# Altium PCB JMU-ETA-Ruler V2.0.PcbDoc (part 2 of 2)
Units mm, origin at the board's own origin, x right, y up, seen from the top; angles counter-clockwise.
Board outline 156.25 x 24.4 mm, 2 copper layers (Top Layer, Bottom Layer); 28 components, 0 nets, 863 pads, 0 vias.
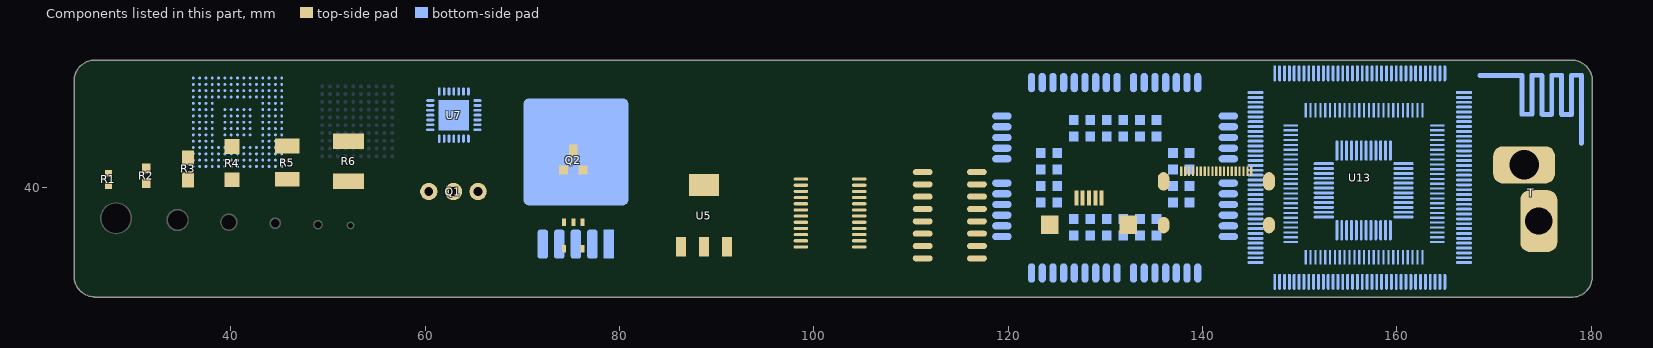
[diagram p2: the components of this part, seen from the top]

## Nets (pads, with @x,y where several pads share a name; then routed paths per layer and width w, separated by ;. In a path a pad name is that pad's centre, name@x,y a point inside that pad or via, vN(x,y) a via of type N, cw(c..) or ccw(c..) an arc to the next point about the centre after c; other vN are vias at no path point) (continued)
copper on no net: | length 659.2
  Top Layer w0.005: 26.68,46.02 27.097,46.02 ; 26.68,46.025 27.107,46.025 ; 26.685,46.015 27.087,46.015 ; 26.685,46.03 27.117,46.03 ; 26.69,46.01 27.076,46.01 ; 26.69,46.035 27.127,46.035 ; 26.695,46.004 27.066,46.004 ; 26.695,46.04 27.137,46.04 ; 26.7,45.999 27.061,45.999 ; 26.7,46.045 27.148,46.045 ; 26.706,45.994 27.051,45.994 ; 26.706,46.05 27.158,46.05 ; 26.711,45.989 27.041,45.989 ; 26.711,46.055 27.168,46.055 ; 26.716,45.984 27.036,45.984 ; 26.716,46.06 27.183,46.06 ; 26.721,45.979 27.026,45.979 ; 26.721,46.065 27.193,46.065 ; 26.726,45.974 27.021,45.974 ; 26.726,46.071 27.203,46.071 ; 26.731,45.969 27.01,45.969 ; 26.736,45.964 27.005,45.964 ; 26.736,46.076 27.219,46.076 ; 26.741,45.959 26.995,45.959 ; 26.741,46.081 27.234,46.081 ; 26.746,45.954 26.99,45.954 ; 26.746,46.086 27.249,46.086 ; 26.751,45.949 26.98,45.949 ; 26.751,46.091 27.264,46.091 ; 26.756,45.944 26.975,45.944 ; 26.756,46.096 27.28,46.096 ; 26.761,45.938 26.97,45.938 ; 26.761,46.101 27.295,46.101 ; 26.767,45.933 26.96,45.933 ; 26.772,45.928 26.954,45.928 ; 26.772,46.106 27.315,46.106 ; 26.777,45.923 26.949,45.923 ; 26.777,46.111 27.335,46.111 ; 26.782,45.918 26.939,45.918 ; 26.782,46.116 27.356,46.116 ; 26.787,45.913 26.934,45.913 ; 26.787,46.121 27.381,46.121 ; 26.792,45.908 26.929,45.908 ; 26.797,45.903 26.924,45.903 ; 26.797,46.126 27.412,46.126 ; 26.802,45.898 26.919,45.898 ; 26.802,46.131 27.447,46.131 ; 26.807,45.893 26.909,45.893 ; 26.807,46.137 27.498,46.137 ; 26.812,45.888 26.904,45.888 ; 26.817,45.883 26.899,45.883 ; 26.817,46.142 28.331,46.142 ; 26.822,45.877 26.894,45.877 ; 26.822,46.147 28.326,46.147 ; 26.827,45.872 26.888,45.872 ; 26.827,46.152 28.321,46.152 ; 26.833,45.867 26.883,45.867 ; 26.838,45.862 26.878,45.862 ; 26.838,46.157 28.311,46.157 ; 26.843,45.857 26.873,45.857 ; 26.843,46.162 28.306,46.162 ; 26.848,45.852 26.868,45.852 ; 26.853,45.847 26.863,45.847 ; 26.853,46.167 28.296,46.167 ; 26.858,46.172 28.291,46.172 ; 26.863,46.177 28.285,46.177 ; 26.873,46.182 28.275,46.182 ; 26.883,46.187 28.27,46.187 ; 26.888,46.192 28.26,46.192 ; 26.899,46.198 28.25,46.198 ; 26.904,46.203 28.245,46.203 ; 26.914,46.208 28.235,46.208 ; 26.919,46.213 28.23,46.213 ; 26.929,46.218 28.219,46.218 ; 26.939,46.223 28.209,46.223 ; 26.949,46.228 28.199,46.228 ; 26.954,46.233 28.194,46.233 ; 26.965,46.238 28.184,46.238 ; 26.975,46.243 28.174,46.243 ; 26.985,46.248 28.164,46.248 ; 26.995,46.253 28.153,46.253 ; 27.005,46.258 28.143,46.258 ; 27.015,46.264 28.133,46.264 ; 27.026,46.269 28.123,46.269 ; 27.036,45.664 28.113,45.664 ; 27.036,46.274 28.113,46.274 ; 27.041,45.659 28.113,45.659 ; 27.041,45.669 28.108,45.669 ; 27.046,45.654 28.108,45.654 ; 27.046,45.674 28.103,45.674 ; 27.046,46.279 28.103,46.279 ; 27.051,45.649 28.103,45.649 ; 27.051,45.679 28.097,45.679 ; 27.056,45.644 28.097,45.644 ; 27.056,45.684 28.092,45.684 ; 27.056,46.284 28.092,46.284 ; 27.061,45.639 28.092,45.639 ; 27.066,45.634 28.087,45.634 ; 27.066,45.69 28.082,45.69 ; 27.071,45.629 27.518,45.629 ; 27.071,45.695 28.077,45.695 ; 27.071,46.289 28.077,46.289 ; 27.076,45.623 27.483,45.623 ; 27.076,45.7 28.072,45.7 ; 27.081,45.618 27.457,45.618 ; 27.081,45.705 28.067,45.705 ; 27.081,46.294 28.067,46.294 ; 27.087,45.613 27.437,45.613 ; 27.087,45.71 28.062,45.71 ; 27.092,45.608 27.422,45.608 ; 27.092,45.715 28.057,45.715 ; 27.092,46.299 28.057,46.299 ; 27.097,45.603 27.407,45.603 ; 27.102,45.598 27.391,45.598 ; 27.102,45.72 28.047,45.72 ; 27.107,45.593 27.381,45.593 ; 27.107,45.725 28.042,45.725 ; 27.107,46.304 28.042,46.304 ; 27.112,45.588 27.366,45.588 ; 27.112,45.73 28.037,45.73 ; 27.117,45.583 27.356,45.583 ; 27.117,45.735 28.031,45.735 ; 27.122,45.578 27.346,45.578 ; 27.122,46.309 28.026,46.309 ; 27.127,45.573 27.335,45.573 ; 27.127,45.74 28.021,45.74 ; 27.132,45.568 27.325,45.568 ; 27.132,45.745 28.016,45.745 ; 27.132,46.314 28.016,46.314 ; 27.137,45.563 27.32,45.563 ; 27.142,45.557 27.31,45.557 ; 27.142,45.75 28.006,45.75 ; 27.148,45.552 27.3,45.552 ; 27.148,45.756 28.001,45.756 ; 27.148,46.319 28.001,46.319 ; 27.153,45.547 27.295,45.547 ; 27.158,45.542 27.285,45.542 ; 27.158,45.761 27.991,45.761 ; 27.163,45.537 27.28,45.537 ; 27.163,45.766 27.986,45.766 ; 27.163,46.325 27.986,46.325 ; 27.168,45.532 27.269,45.532 ; 27.173,45.527 27.264,45.527 ; 27.173,45.771 27.976,45.771 ; 27.178,45.522 27.259,45.522 ; 27.178,45.776 27.97,45.776 ; 27.178,46.33 27.97,46.33 ; 27.183,45.517 27.254,45.517 ; 27.188,45.512 27.244,45.512 ; 27.188,45.781 27.96,45.781 ; 27.193,45.507 27.239,45.507 ; 27.193,46.335 27.955,46.335 ; 27.198,45.502 27.234,45.502 ; 27.198,45.786 27.95,45.786 ; 27.203,45.496 27.229,45.496 ; 27.208,45.491 27.224,45.491 ; 27.208,45.791 27.94,45.791 ; 27.208,46.34 27.94,46.34 ; 27.214,45.486 27.219,45.486 ; 27.214,45.796 27.935,45.796 ; 27.224,45.801 27.925,45.801 ; 27.224,46.345 27.925,46.345 ; 27.234,45.806 27.915,45.806 ; 27.244,45.811 27.904,45.811 ; 27.244,46.35 27.904,46.35 ; 27.254,45.817 27.889,45.817 ; 27.264,46.355 27.884,46.355 ; 27.269,45.822 27.879,45.822 ; 27.28,45.827 27.869,45.827 ; 27.285,46.36 27.864,46.36 ; 27.295,45.832 27.854,45.832 ; 27.305,45.837 27.843,45.837 ; 27.31,46.365 27.838,46.365 ; 27.32,45.842 27.828,45.842 ; 27.335,45.847 27.813,45.847 ; 27.335,46.37 27.813,46.37 ; 27.351,45.852 27.798,45.852 ; 27.361,46.375 27.788,46.375 ; 27.366,45.857 27.783,45.857 ; 27.386,45.862 27.762,45.862 ; 27.396,45.303 27.752,45.303 ; 27.396,46.38 27.752,46.38 ; 27.402,45.298 27.752,45.298 ; 27.402,45.309 27.747,45.309 ; 27.407,45.293 27.747,45.293 ; 27.407,45.314 27.742,45.314 ; 27.407,45.867 27.742,45.867 ; 27.412,45.288 27.742,45.288 ; 27.412,45.319 27.737,45.319 ; 27.417,45.283 27.737,45.283 ; 27.417,45.324 27.732,45.324 ; 27.422,45.278 27.732,45.278 ; 27.422,45.329 27.727,45.329 ; 27.427,45.273 27.727,45.273 ; 27.432,45.268 27.722,45.268 ; 27.432,45.334 27.716,45.334 ; 27.432,45.872 27.716,45.872 ; 27.437,45.263 27.716,45.263 ; 27.437,45.339 27.711,45.339 ; 27.437,46.385 27.711,46.385 ; 27.442,45.258 27.711,45.258 ; 27.447,45.253 27.706,45.253 ; 27.447,45.344 27.701,45.344 ; 27.452,45.248 27.701,45.248 ; 27.457,45.242 27.696,45.242 ; 27.457,45.349 27.691,45.349 ; 27.462,45.237 27.691,45.237 ; 27.462,45.877 27.686,45.877 ; 27.468,45.232 27.686,45.232 ; 27.468,45.354 27.681,45.354 ; 27.473,45.227 27.681,45.227 ; 27.478,45.222 27.676,45.222 ; 27.478,45.359 27.671,45.359 ; 27.483,45.217 27.671,45.217 ; 27.488,45.212 27.666,45.212 ; 27.493,45.207 27.661,45.207 ; 27.493,45.364 27.656,45.364 ; 27.493,46.391 27.656,46.391 ; 27.498,45.202 27.656,45.202 ; 27.503,45.197 27.65,45.197 ; 27.508,45.192 27.645,45.192 ; 27.508,45.369 27.64,45.369 ; 27.508,45.883 27.64,45.883 ; 27.513,45.187 27.64,45.187 ; 27.518,45.182 27.635,45.182 ; 27.523,45.176 27.63,45.176 ; 27.529,45.171 27.625,45.171 ; 27.534,45.166 27.62,45.166 ; 27.534,45.375 27.615,45.375 ; 27.539,45.161 27.615,45.161 ; 27.544,45.156 27.61,45.156 ; 27.549,45.151 27.605,45.151 ; 27.554,45.146 27.6,45.146 ; 27.559,45.141 27.595,45.141 ; 27.564,45.136 27.589,45.136 ; 27.569,45.131 27.584,45.131 ; 27.574,45.126 27.579,45.126 ; 27.63,45.629 28.082,45.629 ; 27.65,46.137 28.341,46.137 ; 27.666,45.623 28.077,45.623 ; 27.691,45.618 28.072,45.618 ; 27.701,46.131 28.346,46.131 ; 27.711,45.613 28.067,45.613 ; 27.727,45.608 28.062,45.608 ; 27.737,46.126 28.351,46.126 ; 27.742,45.603 28.057,45.603 ; 27.757,45.598 28.052,45.598 ; 27.767,45.593 28.047,45.593 ; 27.767,46.121 28.362,46.121 ; 27.783,45.588 28.042,45.588 ; 27.793,45.583 28.037,45.583 ; 27.793,46.116 28.367,46.116 ; 27.803,45.578 28.031,45.578 ; 27.813,45.573 28.026,45.573 ; 27.813,46.111 28.372,46.111 ; 27.823,45.568 28.021,45.568 ; 27.828,45.563 28.016,45.563 ; 27.833,46.106 28.377,46.106 ; 27.838,45.557 28.011,45.557 ; 27.849,45.552 28.006,45.552 ; 27.854,45.547 28.001,45.547 ; 27.854,46.101 28.387,46.101 ; 27.864,45.542 27.996,45.542 ; 27.869,45.537 27.991,45.537 ; 27.869,46.096 28.392,46.096 ; 27.879,45.532 27.986,45.532 ; 27.884,45.527 27.981,45.527 ; 27.884,46.091 28.397,46.091 ; 27.889,45.522 27.976,45.522 ; 27.894,45.517 27.97,45.517 ; 27.899,46.086 28.402,46.086 ; 27.904,45.512 27.965,45.512 ; 27.91,45.507 27.96,45.507 ; 27.915,45.502 27.955,45.502 ; 27.915,46.081 28.407,46.081 ; 27.92,45.496 27.95,45.496 ; 27.925,45.491 27.945,45.491 ; 27.93,45.486 27.94,45.486 ; 27.93,46.076 28.412,46.076 ; 27.945,46.071 28.423,46.071 ; 27.955,46.065 28.428,46.065 ; 27.965,46.06 28.433,46.06 ; 27.981,46.055 28.438,46.055 ; 27.991,46.05 28.443,46.05 ; 28.001,46.045 28.448,46.045 ; 28.011,46.04 28.453,46.04 ; 28.021,46.035 28.458,46.035 ; 28.031,46.03 28.463,46.03 ; 28.042,46.025 28.468,46.025 ; 28.052,46.02 28.473,46.02 ; 28.062,46.015 28.468,46.015 ; 28.072,46.01 28.463,46.01 ; 28.082,46.004 28.458,46.004 ; 28.087,45.999 28.453,45.999 ; 28.097,45.994 28.448,45.994 ; 28.108,45.989 28.443,45.989 ; 28.113,45.984 28.438,45.984 ; 28.123,45.979 28.433,45.979 ; 28.128,45.974 28.428,45.974 ; 28.138,45.969 28.423,45.969 ; 28.143,45.964 28.418,45.964 ; 28.153,45.959 28.412,45.959 ; 28.158,45.954 28.407,45.954 ; 28.169,45.949 28.402,45.949 ; 28.174,45.944 28.397,45.944 ; 28.179,45.938 28.392,45.938 ; 28.189,45.933 28.387,45.933 ; 28.194,45.928 28.382,45.928 ; 28.199,45.923 28.377,45.923 ; 28.209,45.918 28.372,45.918 ; 28.214,45.913 28.367,45.913 ; 28.219,45.908 28.362,45.908 ; 28.224,45.903 28.357,45.903 ; 28.23,45.898 28.351,45.898 ; 28.24,45.893 28.346,45.893 ; 28.245,45.888 28.341,45.888 ; 28.25,45.883 28.336,45.883 ; 28.255,45.877 28.331,45.877 ; 28.26,45.872 28.326,45.872 ; 28.265,45.867 28.321,45.867 ; 28.27,45.862 28.316,45.862 ; 28.275,45.857 28.311,45.857 ; 28.28,45.852 28.306,45.852 ; 28.285,45.847 28.301,45.847
  Top Layer w0.01: 30.363,46.142 30.749,46.142 ; 30.383,45.278 30.749,45.278 ; 30.383,45.288 30.77,45.288 ; 30.383,46.131 30.77,46.131 ; 30.383,46.152 30.729,46.152 ; 30.394,45.268 30.729,45.268 ; 30.394,46.162 30.719,46.162 ; 30.404,45.298 30.78,45.298 ; 30.404,46.121 30.79,46.121 ; 30.414,45.258 30.709,45.258 ; 30.414,45.309 30.8,45.309 ; 30.414,46.172 30.698,46.172 ; 30.424,45.319 30.82,45.319 ; 30.424,46.111 30.8,46.111 ; 30.434,45.248 30.698,45.248 ; 30.434,46.101 30.82,46.101 ; 30.434,46.182 30.678,46.182 ; 30.444,45.329 30.831,45.329 ; 30.455,45.237 30.678,45.237 ; 30.455,45.339 30.851,45.339 ; 30.455,46.091 30.831,46.091 ; 30.455,46.192 30.668,46.192 ; 30.465,45.227 30.658,45.227 ; 30.465,46.203 30.648,46.203 ; 30.475,46.081 30.851,46.081 ; 30.485,45.217 30.648,45.217 ; 30.485,45.349 30.871,45.349 ; 30.485,46.213 30.627,46.213 ; 30.495,46.071 30.871,46.071 ; 30.505,45.207 30.627,45.207 ; 30.505,45.359 30.881,45.359 ; 30.505,46.06 30.891,46.06 ; 30.505,46.223 30.617,46.223 ; 30.516,45.197 30.617,45.197 ; 30.516,45.369 30.902,45.369 ; 30.516,46.233 30.597,46.233 ; 30.526,46.05 30.902,46.05 ; 30.536,45.187 30.597,45.187 ; 30.536,45.38 30.922,45.38 ; 30.536,46.243 30.577,46.243 ; 30.546,45.39 30.932,45.39 ; 30.546,46.04 30.922,46.04 ; 30.556,45.176 30.577,45.176 ; 30.556,45.4 30.952,45.4 ; 30.556,46.03 30.932,46.03 ; 30.556,46.253 30.566,46.253 ; 30.577,45.41 30.963,45.41 ; 30.577,46.02 30.952,46.02 ; 30.597,45.42 30.993,45.42 ; 30.597,46.01 30.973,46.01 ; 30.607,45.43 31.003,45.43 ; 30.607,45.999 30.983,45.999 ; 30.627,45.441 31.024,45.441 ; 30.627,45.989 31.003,45.989 ; 30.637,45.979 31.024,45.979 ; 30.648,45.451 31.034,45.451 ; 30.658,45.461 31.054,45.461 ; 30.658,45.969 31.034,45.969 ; 30.678,45.471 31.074,45.471 ; 30.678,45.959 31.054,45.959 ; 30.698,45.481 31.095,45.481 ; 30.698,45.949 31.074,45.949 ; 30.709,45.938 31.095,45.938 ; 30.719,45.491 31.105,45.491 ; 30.729,45.502 31.826,45.502 ; 30.729,45.928 31.836,45.928 ; 30.749,45.512 31.806,45.512 ; 30.749,45.918 31.816,45.918 ; 30.759,45.908 31.806,45.908 ; 30.77,45.522 31.786,45.522 ; 30.78,45.532 31.775,45.532 ; 30.78,45.898 31.786,45.898 ; 30.79,45.888 31.765,45.888 ; 30.8,45.542 31.755,45.542 ; 30.81,45.877 31.745,45.877 ; 30.82,45.552 31.735,45.552 ; 30.831,45.563 31.725,45.563 ; 30.831,45.867 31.735,45.867 ; 30.851,45.573 31.704,45.573 ; 30.851,45.857 31.714,45.857 ; 30.861,45.847 31.704,45.847 ; 30.871,45.583 31.684,45.583 ; 30.881,45.837 31.684,45.837 ; 30.891,45.593 31.674,45.593 ; 30.902,45.603 31.653,45.603 ; 30.902,45.827 31.664,45.827 ; 30.912,45.817 31.653,45.817 ; 30.922,45.613 31.633,45.613 ; 30.932,45.806 31.633,45.806 ; 30.942,45.623 31.623,45.623 ; 30.952,45.634 31.603,45.634 ; 30.952,45.796 31.613,45.796 ; 30.963,45.786 31.603,45.786 ; 30.973,45.644 31.582,45.644 ; 30.983,45.654 31.572,45.654 ; 30.983,45.776 31.582,45.776 ; 31.003,45.664 31.552,45.664 ; 31.003,45.766 31.562,45.766 ; 31.013,45.756 31.542,45.756 ; 31.024,45.674 31.532,45.674 ; 31.024,45.745 31.532,45.745 ; 31.034,45.684 31.521,45.684 ; 31.044,45.735 31.511,45.735 ; 31.054,45.695 31.501,45.695 ; 31.064,45.705 31.481,45.705 ; 31.064,45.715 31.481,45.715 ; 31.064,45.725 31.491,45.725 ; 31.135,45.491 31.43,45.491 ; 31.145,44.658 31.166,44.658 ; 31.145,44.668 31.176,44.668 ; 31.145,44.679 31.196,44.679 ; 31.145,44.689 31.217,44.689 ; 31.145,44.699 31.227,44.699 ; 31.145,44.709 31.247,44.709 ; 31.145,44.719 31.267,44.719 ; 31.145,44.729 31.278,44.729 ; 31.145,44.74 31.298,44.74 ; 31.145,44.75 31.318,44.75 ; 31.145,44.76 31.328,44.76 ; 31.145,44.77 31.349,44.77 ; 31.145,44.78 31.359,44.78 ; 31.145,44.79 31.379,44.79 ; 31.145,44.801 31.399,44.801 ; 31.145,44.811 31.42,44.811 ; 31.145,44.821 31.43,44.821 ; 31.145,44.831 31.45,44.831 ; 31.145,44.841 31.471,44.841 ; 31.145,44.851 31.481,44.851 ; 31.145,44.861 31.501,44.861 ; 31.145,44.872 31.521,44.872 ; 31.145,44.882 31.542,44.882 ; 31.145,44.892 31.552,44.892 ; 31.145,44.902 31.572,44.902 ; 31.145,44.912 31.593,44.912 ; 31.145,44.922 31.603,44.922 ; 31.145,44.933 31.623,44.933 ; 31.145,44.943 31.633,44.943 ; 31.145,44.953 31.653,44.953 ; 31.145,44.963 31.674,44.963 ; 31.145,44.973 31.684,44.973 ; 31.145,44.983 31.704,44.983 ; 31.145,44.994 31.725,44.994 ; 31.145,45.004 31.745,45.004 ; 31.145,45.014 31.755,45.014 ; 31.145,45.024 31.775,45.024 ; 31.145,45.034 31.796,45.034 ; 31.145,45.044 31.806,45.044 ; 31.145,45.055 31.826,45.055 ; 31.145,45.065 31.43,45.065 ; 31.145,45.075 31.43,45.075 ; 31.145,45.085 31.43,45.085 ; 31.145,45.095 31.43,45.095 ; 31.145,45.105 31.43,45.105 ; 31.145,45.115 31.43,45.115 ; 31.145,45.126 31.43,45.126 ; 31.145,45.136 31.43,45.136 ; 31.145,45.146 31.43,45.146 ; 31.145,45.156 31.43,45.156 ; 31.145,45.166 31.43,45.166 ; 31.145,45.176 31.43,45.176 ; 31.145,45.187 31.43,45.187 ; 31.145,45.197 31.43,45.197 ; 31.145,45.207 31.43,45.207 ; 31.145,45.217 31.43,45.217 ; 31.145,45.227 31.43,45.227 ; 31.145,45.237 31.43,45.237 ; 31.145,45.248 31.43,45.248 ; 31.145,45.258 31.43,45.258 ; 31.145,45.268 31.43,45.268 ; 31.145,45.278 31.43,45.278 ; 31.145,45.288 31.43,45.288 ; 31.145,45.298 31.43,45.298 ; 31.145,45.309 31.43,45.309 ; 31.145,45.319 31.43,45.319 ; 31.145,45.329 31.43,45.329 ; 31.145,45.339 31.43,45.339 ; 31.145,45.349 31.43,45.349 ; 31.145,45.359 31.43,45.359 ; 31.145,45.369 31.43,45.369 ; 31.145,45.38 31.43,45.38 ; 31.145,45.39 31.43,45.39 ; 31.145,45.4 31.43,45.4 ; 31.145,45.41 31.43,45.41 ; 31.145,45.42 31.43,45.42 ; 31.145,45.43 31.43,45.43 ; 31.145,45.441 31.43,45.441 ; 31.145,45.451 31.43,45.451 ; 31.145,45.461 31.43,45.461 ; 31.145,45.471 31.43,45.471 ; 31.145,45.481 31.42,45.481 ; 31.145,45.938 31.42,45.938 ; 31.145,45.949 31.43,45.949 ; 31.145,45.959 31.43,45.959 ; 31.145,45.969 31.42,45.969 ; 31.145,45.979 31.43,45.979 ; 31.145,45.989 31.43,45.989 ; 31.145,45.999 31.43,45.999 ; 31.145,46.01 31.43,46.01 ; 31.145,46.02 31.43,46.02 ; 31.145,46.03 31.43,46.03 ; 31.145,46.04 31.43,46.04 ; 31.145,46.05 31.43,46.05 ; 31.145,46.06 31.43,46.06 ; 31.145,46.071 31.43,46.071 ; 31.145,46.081 31.43,46.081 ; 31.145,46.091 31.43,46.091 ; 31.145,46.101 31.43,46.101 ; 31.145,46.111 31.43,46.111 ; 31.145,46.121 31.43,46.121 ; 31.145,46.131 31.43,46.131 ; 31.145,46.142 31.43,46.142 ; 31.145,46.152 31.43,46.152 ; 31.145,46.162 31.43,46.162 ; 31.145,46.172 31.43,46.172 ; 31.145,46.182 31.43,46.182 ; 31.145,46.192 31.43,46.192 ; 31.145,46.203 31.43,46.203 ; 31.145,46.213 31.43,46.213 ; 31.145,46.223 31.43,46.223 ; 31.145,46.233 31.43,46.233 ; 31.145,46.243 31.43,46.243 ; 31.145,46.253 31.43,46.253 ; 31.145,46.264 31.43,46.264 ; 31.145,46.274 31.43,46.274 ; 31.145,46.284 31.42,46.284 ; 31.145,46.294 31.43,46.294 ; 31.145,46.304 31.43,46.304 ; 31.145,46.314 31.42,46.314 ; 31.145,46.325 31.43,46.325 ; 31.145,46.335 31.43,46.335 ; 31.145,46.345 31.42,46.345 ; 31.145,46.355 31.43,46.355 ; 31.145,46.365 31.826,46.365 ; 31.145,46.375 31.816,46.375 ; 31.145,46.385 31.796,46.385 ; 31.145,46.396 31.775,46.396 ; 31.145,46.406 31.765,46.406 ; 31.145,46.416 31.745,46.416 ; 31.145,46.426 31.735,46.426 ; 31.145,46.436 31.714,46.436 ; 31.145,46.446 31.694,46.446 ; 31.145,46.457 31.674,46.457 ; 31.145,46.467 31.664,46.467 ; 31.145,46.477 31.643,46.477 ; 31.145,46.487 31.633,46.487 ; 31.145,46.497 31.613,46.497 ; 31.145,46.507 31.593,46.507 ; 31.145,46.518 31.572,46.518 ; 31.145,46.528 31.562,46.528 ; 31.145,46.538 31.542,46.538 ; 31.145,46.548 31.521,46.548 ; 31.145,46.558 31.511,46.558 ; 31.145,46.568 31.491,46.568 ; 31.145,46.579 31.471,46.579 ; 31.145,46.589 31.45,46.589 ; 31.145,46.599 31.44,46.599 ; 31.145,46.609 31.42,46.609 ; 31.145,46.619 31.399,46.619 ; 31.145,46.629 31.389,46.629 ; 31.145,46.639 31.369,46.639 ; 31.145,46.65 31.359,46.65 ; 31.145,46.66 31.339,46.66 ; 31.145,46.67 31.318,46.67 ; 31.145,46.68 31.308,46.68 ; 31.145,46.69 31.288,46.69 ; 31.145,46.7 31.267,46.7 ; 31.145,46.711 31.247,46.711 ; 31.145,46.721 31.237,46.721 ; 31.145,46.731 31.217,46.731 ; 31.145,46.741 31.196,46.741 ; 31.145,46.751 31.186,46.751 ; 31.145,46.761 31.166,46.761 ; 31.145,46.772 31.156,46.772 ; 31.45,45.065 31.847,45.065 ; 31.45,45.491 31.836,45.491 ; 31.46,45.938 31.857,45.938 ; 31.46,46.355 31.847,46.355 ; 31.471,45.075 31.857,45.075 ; 31.471,45.481 31.857,45.481 ; 31.471,46.345 31.867,46.345 ; 31.481,45.949 31.867,45.949 ; 31.491,45.085 31.877,45.085 ; 31.491,45.471 31.877,45.471 ; 31.491,45.959 31.887,45.959 ; 31.491,46.335 31.887,46.335 ; 31.501,45.095 31.897,45.095 ; 31.501,45.461 31.897,45.461 ; 31.511,45.969 31.907,45.969 ; 31.511,46.325 31.897,46.325 ; 31.521,45.105 31.907,45.105 ; 31.521,45.451 31.907,45.451 ; 31.521,46.314 31.918,46.314 ; 31.532,45.115 31.928,45.115 ; 31.532,45.441 31.928,45.441 ; 31.532,45.979 31.918,45.979 ; 31.542,45.989 31.938,45.989 ; 31.542,46.304 31.938,46.304 ; 31.552,45.126 31.938,45.126 ; 31.552,45.43 31.938,45.43 ; 31.562,45.999 31.958,45.999 ; 31.562,46.294 31.948,46.294 ; 31.572,45.136 31.968,45.136 ; 31.572,45.42 31.958,45.42 ; 31.572,46.284 31.968,46.284 ; 31.582,46.01 31.968,46.01 ; 31.593,45.146 31.979,45.146 ; 31.593,45.41 31.979,45.41 ; 31.593,46.02 31.989,46.02 ; 31.593,46.274 31.989,46.274 ; 31.603,45.156 31.999,45.156 ; 31.603,45.4 31.989,45.4 ; 31.613,46.03 32.009,46.03 ; 31.613,46.264 31.999,46.264 ; 31.623,45.166 32.009,45.166 ; 31.623,45.39 32.009,45.39 ; 31.623,46.253 32.019,46.253 ; 31.633,46.04 32.019,46.04 ; 31.643,45.176 32.029,45.176 ; 31.643,45.38 32.029,45.38 ; 31.643,46.243 32.04,46.243 ; 31.653,45.187 32.05,45.187 ; 31.653,45.369 32.04,45.369 ; 31.653,46.05 32.04,46.05 ; 31.664,46.06 32.06,46.06 ; 31.664,46.233 32.05,46.233 ; 31.674,45.197 32.06,45.197 ; 31.674,45.359 32.06,45.359 ; 31.684,45.207 32.08,45.207 ; 31.684,46.071 32.07,46.071 ; 31.684,46.223 32.07,46.223 ; 31.694,45.349 32.08,45.349 ; 31.694,46.081 32.09,46.081 ; 31.694,46.213 32.09,46.213 ; 31.704,45.217 32.101,45.217 ; 31.704,45.339 32.101,45.339 ; 31.714,46.091 32.111,46.091 ; 31.714,46.203 32.101,46.203 ; 31.725,45.227 32.111,45.227 ; 31.725,45.329 32.111,45.329 ; 31.725,46.192 32.121,46.192 ; 31.735,46.101 32.131,46.101 ; 31.745,45.237 32.131,45.237 ; 31.745,45.319 32.131,45.319 ; 31.745,46.182 32.141,46.182 ; 31.755,45.309 32.151,45.309 ; 31.755,46.111 32.141,46.111 ; 31.765,45.248 32.151,45.248 ; 31.765,46.121 32.161,46.121 ; 31.765,46.172 32.151,46.172 ; 31.775,45.258 32.172,45.258 ; 31.775,45.298 32.161,45.298 ; 31.786,46.131 32.182,46.131 ; 31.786,46.162 32.172,46.162 ; 31.796,45.268 32.182,45.268 ; 31.796,45.278 32.202,45.278 ; 31.796,45.288 32.182,45.288 ; 31.796,46.142 32.192,46.142 ; 31.796,46.152 32.192,46.152
  Top Layer w0.254: 27,49 27,53 ; 28,51 28,53 ; 29,51 29,53 ; 30,51 30,53 ; 31,51 31,53 ; 32,50 32,53 ; 33,51 33,53 ; 34,51 34,53 ; 35,51 35,53 ; 36,51 36,53 ; 37,49 37,53 ; 38,51 38,53 ; 39,51 39,53 ; 40,51 40,53 ; 41,51 41,53 ; 42,50 42,53 ; 43,51 43,53 ; 44,51 44,53 ; 45,51 45,53 ; 46,51 46,53 ; 47,49 47,53 ; 48,51 48,53 ; 49,51 49,53 ; 50,51 50,53 ; 51,51 51,53 ; 52,50 52,53 ; 53,51 53,53 ; 54,51 54,53 ; 55,51 55,53 ; 56,51 56,53 ; 57,49 57,53 ; 58,51 58,53 ; 59,51 59,53 ; 60,51 60,53 ; 61,51 61,53 ; 62,50 62,53 ; 63,51 63,53 ; 64,51 64,53 ; 65,51 65,53 ; 66,51 66,53 ; 67,49 67,53 ; 68,51 68,53 ; 69,51 69,53 ; 70,51 70,53 ; 71,51 71,53 ; 72,50 72,53 ; 73,51 73,53 ; 74,51 74,53 ; 75,51 75,53 ; 76,51 76,53 ; 77,49 77,53 ; 78,51 78,53 ; 79,51 79,53 ; 80,51 80,53 ; 81,51 81,53 ; 82,50 82,53 ; 83,51 83,53 ; 84,51 84,53 ; 85,51 85,53 ; 86,51 86,53 ; 87,49 87,53 ; 88,51 88,53 ; 89,51 89,53 ; 90,51 90,53 ; 91,51 91,53 ; 92,50 92,53 ; 93,51 93,53 ; 94,51 94,53 ; 95,51 95,53 ; 96,51 96,53 ; 97,49 97,53 ; 98,51 98,53 ; 99,51 99,53 ; 100,51 100,53 ; 101,51 101,53 ; 102,50 102,53 ; 103,51 103,53 ; 104,51 104,53 ; 105,51 105,53 ; 106,51 106,53 ; 107,49 107,53 ; 108,51 108,53 ; 109,51 109,53 ; 110,51 110,53 ; 111,51 111,53 ; 112,50 112,53 ; 113,51 113,53 ; 114,51 114,53 ; 115,51 115,53 ; 116,51 116,53 ; 117,49 117,53 ; 118,51 118,53 ; 119,51 119,53 ; 120,51 120,53 ; 121,51 121,53 ; 122,50 122,53 ; 123,51 123,53 ; 124,51 124,53 ; 125,51 125,53 ; 126,51 126,53 ; 127,49 127,53 ; 128,51 128,53 ; 129,51 129,53 ; 130,51 130,53 ; 131,51 131,53 ; 132,50 132,53 ; 133,51 133,53 ; 134,51 134,53 ; 135,51 135,53 ; 136,51 136,53 ; 137,49 137,53 ; 138,51 138,53 ; 139,51 139,53 ; 140,51 140,53 ; 141,51 141,53 ; 142,50 142,51 142,53 ; 143,51 143,53 ; 144,51 144,53 ; 145,51 145,53 ; 146,51 146,53 ; 147,49 147,53 ; 148,51 148,53 ; 149,51 149,53 ; 150,51 150,53 ; 151,51 151,53 ; 152,50 152,53 ; 153,51 153,53 ; 154,51 154,53 ; 155,51 155,53 ; 156,51 156,53 ; 157,49 157,53 ; 158,51 158,53 ; 159,51 159,53 ; 160,51 160,53 ; 161,51 161,53 ; 162,50 162,53 ; 163,51 163,53 ; 164,51 164,53 ; 165,51 165,53 ; 166,51 166,53 ; 167,49 167,53 ; 168,51 168,53 ; 169,51 169,53 ; 170,51 170,53 ; 171,51 171,53 ; 172,50 172,51 172,53 ; 173,51 173,53 ; 174,51 174,53 ; 175,51 175,53 ; 176,51 176,53 ; 177,49 177,53
  Bottom Layer w0.254: 57.246,29.117 57.246,33.604
  Bottom Layer w0.508: 59.482,29.244 59.482,33.731
  Bottom Layer w0.762: 62.123,29.371 62.123,33.858
  Bottom Layer w1.016: 64.689,29.498 64.689,33.985
  Bottom Layer w1.27: 67.584,29.625 67.584,34.112

## Keep-outs
Keep-Out Layer:
  lines w0: 24,51 ccw(c24,51) 24,51
  lines w0.254: 26.018,28.857 178,28.857 ccw(c178,30.857) 180,30.857 ; 26.018,28.884 cw(c26.018,30.902) 24,30.902 24,51 cw(c26,51) 26,53 178,53 cw(c178,51) 180,51 180,30.658

## Other copper
Top Layer:
  text "0 cm" at 27.746,48 h2.29
  text "1" at 37.746,48 h2.29
  text "2" at 47.746,48 h2.29
  text "3" at 57.746,48 h2.29
  text "4" at 67.746,48 h2.29
  text "5" at 77.746,48 h2.29
  text "6" at 87.746,48 h2.29
  text "7" at 97.746,48 h2.29
  text "8" at 107.746,48 h2.29
  text "9" at 117.746,48 h2.29
  text "10" at 127.721,48 h2.29
  text "11" at 137.746,48 h2.29
  text "12" at 147.746,48 h2.29
  text "13" at 157.721,48 h2.29
  text "14" at 167.746,48 h2.29
  text "15" at 177.559,48 h2.29
  text "三极管" at 59.766,45.949 h2.2
  text "VCC" at 123.368,45.847 h2.2 r270
  text "D-" at 125.539,45.847 h2.2 r270
  text "D+" at 127.711,45.847 h2.2 r270
  text "ID" at 129.867,45.845 h2.2 r270
  text "GND" at 132.055,45.847 h2.2 r270
  text "1812" at 54.425,45.35 h2.7 r270
  text "C(D)" at 74.879,44.907 h2.2
  text "1210" at 47.828,44.856 h2.4 r270
  text "1206" at 41.625,44.575 h2.1 r270
  text "集美大学电子技术协会" at 83.642,43.637 h4
  text "0805" at 36.932,43.612 h1.8 r270
  text "场效应管" at 58.903,43.459 h2.2
  text "0603" at 32.275,42.63 h1.5 r270
  text "0402" at 28.275,41.976 h1.2 r270
  text "(G)B" at 69.418,41.123 h2.2
  text "E(S)" at 77.47,41.097 h2.2
  text "SOT-23" at 72.238,38.252 h2.2
  text "E B C" at 60.223,35.357 h2.2
  text "G D S" at 60.198,33.274 h2.2
  text "0.5" at 51.486,32.862 h1.6
  text "0.7" at 47.727,32.721 h1.8
  text "0.9" at 43.18,32.58 h2
  text "1.5" at 38.43,32.449 h2.2
  text "2.0" at 32.614,32.298 h2.4
  text "3.0" at 26.102,32.087 h2.7
  text "SOT-23-5" at 71.171,30.071 h2.2
  text "SOT-223" at 84.785,30.071 h2.2
  text "SSOP-24" at 97.79,30.073 h2
  text "TO-92" at 60.147,30.048 h2.2
  text "SOP" at 112.42,30.023 h2
  text "Micro-USB" at 123.927,29.997 h2
  text "Φ(mm)" at 49.301,29.972 h1.7
  text "Mini-HDMI" at 137.109,29.982 h2
  text "诚以待人  毅以处事" at 147.93,29.921 h2.7
Bottom Layer:
  text "LQFP-144" at 164.109,49.2 h2.03
  text "LQFP-100" at 160.96,45.237 h1.78
  text "QFN-28" at 66.192,41.707 h2.2
  text "NB-IOT" at 134.518,41.25 h2.54
  text "2000-2018" at 33.172,40.665 h1.52
  text "BGA-100" at 56.642,39.446 h2.2
  text "LQFP-48" at 159.08,39.192 h1.52
  text "BC95" at 133.604,39.091 h2.54
  text "UFBGA-176" at 45.542,38.43 h2.2
  text "50mil" at 67.081,34.95 h1.52 r270
  text "40mil" at 64.148,34.822 h1.52 r270
  text "Electronic Technology" at 116.305,34.636 h3.5
  text "30mil" at 61.595,34.468 h1.52 r270
  text "20mil" at 58.965,34.314 h1.52 r270
  text "10mil" at 56.769,34.111 h1.52 r270
  text "Φ" at 51.257,33.325 h1.7
  text "传承创新" at 34.011,32.639 h2.3
  text "1mm = 39.37mil" at 50.749,32.436 h1.8
  text "Association" at 107.747,30.988 h3.5
  text "自强不息" at 33.68,30.302 h2.3
  text "100mil=2.54mm" at 50.648,30.277 h1.8
  text "TO-263-5" at 79.858,30.124 h2.2

## Silkscreen, mask and mechanical layers (free items; w line width, h text height)
Bottom Overlay:
  circle w0.25: c57.887,51.791 r0.125
  lines w0.2: 48.209,42.062 57.76,42.062 57.76,51.181 57.353,51.587 48.209,51.587 48.209,42.062
Top Solder:
  drawing of 835 lines, arcs and shapes, not listed
  text "0 cm" at 27.746,48 h2.29
  text "1" at 37.746,48 h2.29
  text "2" at 47.746,48 h2.29
  text "3" at 57.746,48 h2.29
  text "4" at 67.746,48 h2.29
  text "5" at 77.746,48 h2.29
  text "6" at 87.746,48 h2.29
  text "7" at 97.746,48 h2.29
  text "8" at 107.746,48 h2.29
  text "9" at 117.746,48 h2.29
  text "10" at 127.721,48 h2.29
  text "11" at 137.746,48 h2.29
  text "12" at 147.746,48 h2.29
  text "13" at 157.721,48 h2.29
  text "14" at 167.746,48 h2.29
  text "15" at 177.559,48 h2.29
  text "三极管" at 59.766,45.949 h2.2
  text "VCC" at 123.368,45.847 h2.2 r270
  text "D-" at 125.539,45.847 h2.2 r270
  text "D+" at 127.711,45.847 h2.2 r270
  text "ID" at 129.867,45.845 h2.2 r270
  text "GND" at 132.055,45.847 h2.2 r270
  text "1812" at 54.425,45.35 h2.7 r270
  text "C(D)" at 74.879,44.907 h2.2
  text "1210" at 47.828,44.856 h2.4 r270
  text "1206" at 41.625,44.575 h2.1 r270
  text "0805" at 36.932,43.612 h1.8 r270
  text "集美大学电子技术协会" at 83.642,43.612 h4
  text "场效应管" at 58.903,43.459 h2.2
  text "0603" at 32.275,42.63 h1.5 r270
  text "0402" at 28.27,41.986 h1.2 r270
  text "(G)B" at 69.418,41.123 h2.2
  text "E(S)" at 77.47,41.097 h2.2
  text "SOT-23" at 72.238,38.252 h2.2
  text "E B C" at 60.223,35.382 h2.2
  text "G D S" at 60.198,33.299 h2.2
  text "0.5" at 51.486,32.862 h1.6
  text "0.7" at 47.727,32.721 h1.8
  text "0.9" at 43.18,32.58 h2
  text "1.5" at 38.43,32.449 h2.2
  text "2.0" at 32.614,32.298 h2.4
  text "3.0" at 26.102,32.087 h2.7
  text "SOT-23-5" at 71.171,30.071 h2.2
  text "SOT-223" at 84.785,30.071 h2.2
  text "SSOP-24" at 97.79,30.073 h2
  text "TO-92" at 60.147,30.048 h2.2
  text "SOP" at 112.42,30.023 h2
  text "Micro-USB" at 123.927,29.997 h2
  text "Φ(mm)" at 49.301,29.972 h1.7
  text "Mini-HDMI" at 137.109,29.982 h2
  text "诚以待人  毅以处事" at 147.93,29.921 h2.7
Bottom Solder:
  lines w0.254: 57.246,29.117 57.246,33.604
  lines w0.508: 59.482,29.244 59.482,33.731
  lines w0.762: 62.123,29.371 62.123,33.858
  lines w1.016: 64.689,29.498 64.689,33.985
  lines w1.27: 67.584,29.625 67.584,34.112
  text "LQFP-144" at 164.109,49.2 h2.03
  text "LQFP-100" at 160.96,45.237 h1.78
  text "QFN-28" at 66.192,41.707 h2.2
  text "NB-IOT" at 134.518,41.25 h2.54
  text "2000-2018" at 33.172,40.665 h1.52
  text "BGA-100" at 56.642,39.446 h2.2
  text "LQFP-48" at 159.08,39.192 h1.52
  text "BC95" at 133.604,39.091 h2.54
  text "UFBGA-176" at 45.542,38.43 h2.2
  text "50mil" at 67.081,34.95 h1.52 r270
  text "40mil" at 64.148,34.822 h1.52 r270
  text "Electronic Technology" at 116.305,34.636 h3.5
  text "30mil" at 61.595,34.468 h1.52 r270
  text "20mil" at 58.965,34.314 h1.52 r270
  text "10mil" at 56.769,34.111 h1.52 r270
  text "Φ" at 51.257,33.325 h1.7
  text "传承创新" at 34.011,32.639 h2.3
  text "1mm = 39.37mil" at 50.749,32.436 h1.8
  text "Association" at 107.747,30.988 h3.5
  text "自强不息" at 33.68,30.302 h2.3
  text "100mil=2.54mm" at 50.648,30.277 h1.8
  text "TO-263-5" at 79.858,30.124 h2.2

## Text inside footprints (layer, text, board x,y; h text height)
LOGO1: Top Layer "1918" at 157.991,36.479 h1.27; Top Solder "1918" at 157.991,36.479 h1.27
LOGO2: Bottom Layer "协" at 29.568,44.748 h0.89; Bottom Layer "电" at 30.508,44.748 h0.89; Bottom Layer "大" at 28.654,45.637 h0.89; Bottom Layer "集" at 31.321,45.637 h0.89; Bottom Solder "集" at 31.321,45.637 h0.89; Bottom Solder "大" at 28.654,45.637 h0.89; Bottom Solder "电" at 30.508,44.748 h0.89; Bottom Solder "协" at 29.568,44.748 h0.89
R6: Top Overlay "~" at 52.912,42.277 h2.5 r90
?: Top Overlay "1" at 145.427,39.85 h1.02; Top Overlay "19" at 136.927,39.85 h1.02
?: Top Overlay "+" at 125.025,39.071 h1
?: Bottom Layer "1918-2018" at 98.737,39.979 h1.78; Bottom Solder "1918-2018" at 98.737,39.979 h1.78